# Altium PCB FX_PCB.PcbDoc (part 4 of 7)
Units mil, origin at the board's own origin, x right, y up, seen from the top; angles counter-clockwise.
Board outline 5533 x 3907 mil, 2 copper layers (Top Layer, Bottom Layer); 117 components, 100 nets, 439 pads, 176 vias.
Unrouted connection lines stored in the file: 106.
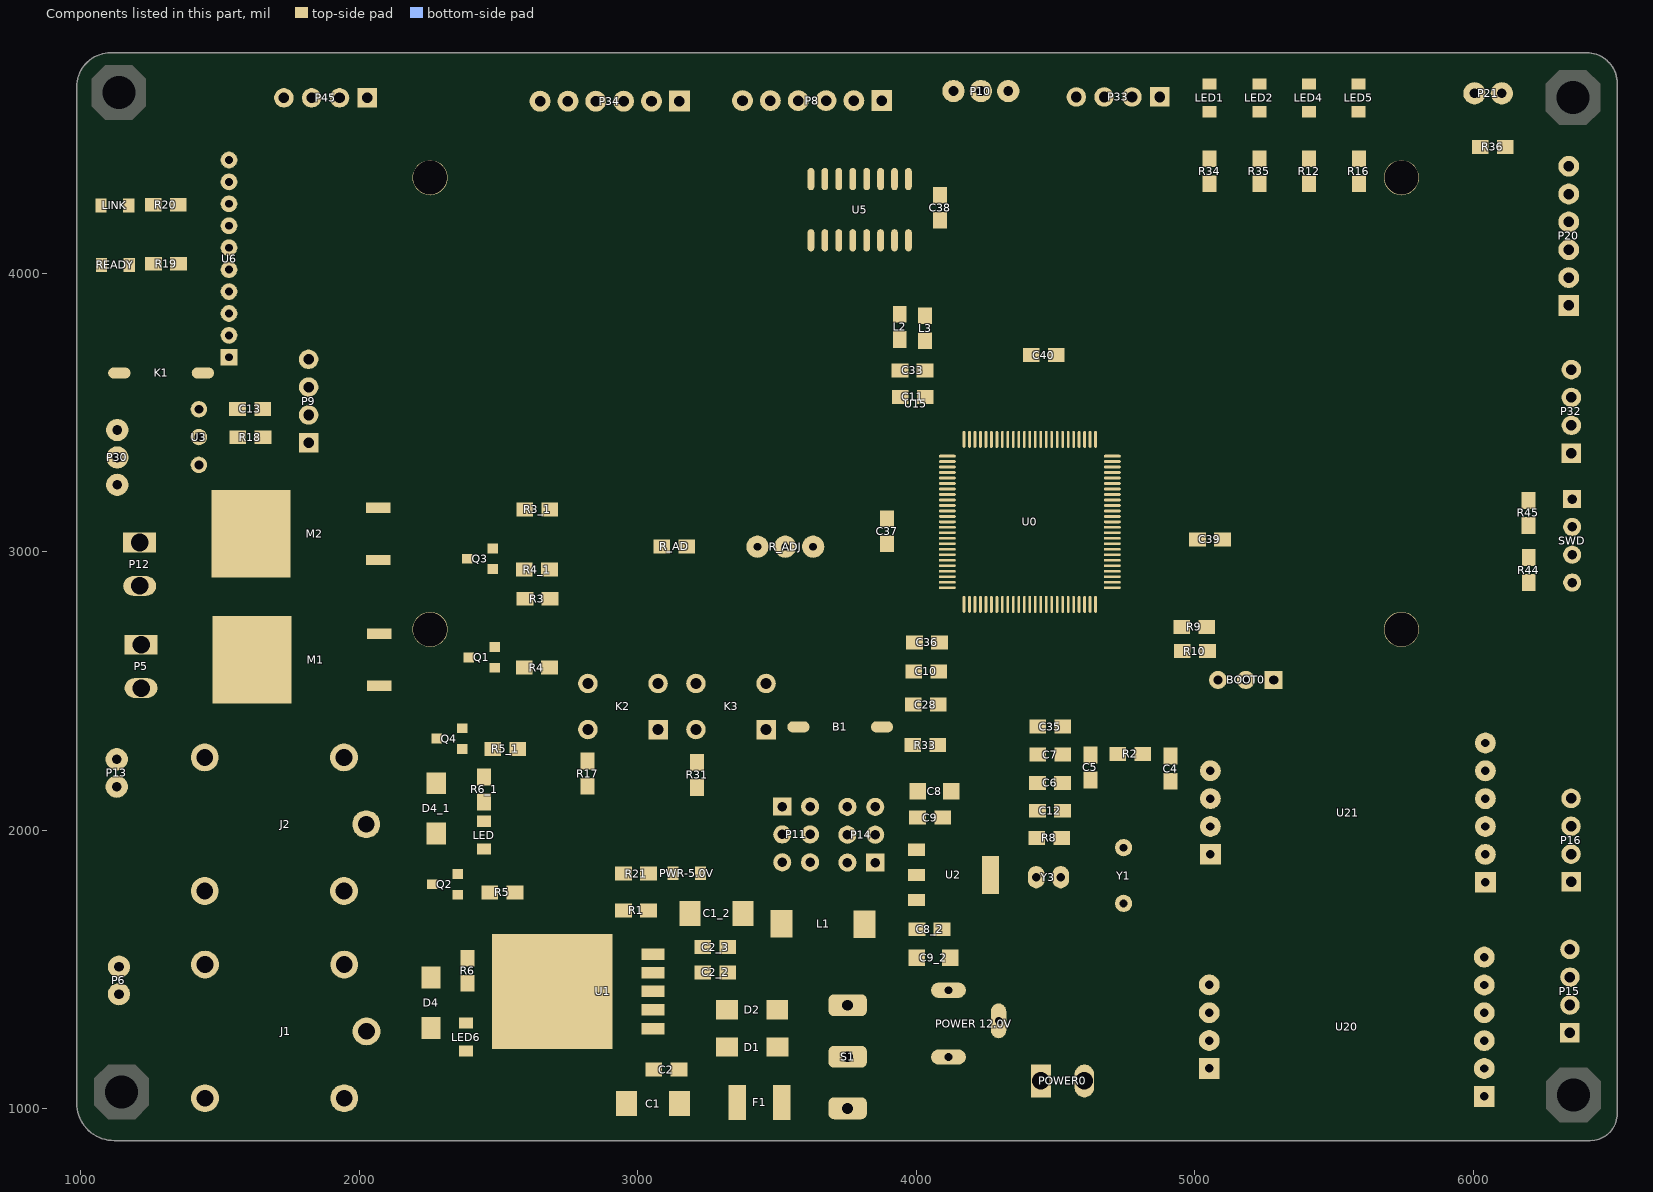
[diagram p4: the components of this part, seen from the top]

## Via types
v1: diameter 30, hole 15, Top Layer to Bottom Layer, 104 vias
v2: diameter 40, hole 18, Top Layer to Bottom Layer, 62 vias
v3: diameter 50, hole 28, Top Layer to Bottom Layer, 7 vias
v4: diameter 50, hole 23, Top Layer to Bottom Layer, 3 vias

## Nets (pads, with @x,y where several pads share a name; then routed paths per layer and width w, separated by ;. In a path a pad name is that pad's centre, name@x,y a point inside that pad or via, vN(x,y) a via of type N, cw(c..) or ccw(c..) an arc to the next point about the centre after c; other vN are vias at no path point) (continued)
copper on no net: (continued)
  Top Layer w0.85: 3046.35,3427.1 3050.6,3427.1 ; 3046.35,3462.8 3050.6,3462.8 ; 3046.35,3832.55 3050.6,3832.55 ; 3046.35,3833.4 3050.6,3833.4 ; 3046.35,3868.25 3050.6,3868.25 ; 3046.35,3869.1 3050.6,3869.1 ; 3047.2,3427.95 3050.6,3427.95 ; 3047.2,3428.8 3051.45,3428.8 ; 3047.2,3463.65 3051.45,3463.65 ; 3047.2,3707.6 3056.55,3707.6 ; 3047.2,3734.8 3051.45,3734.8 ; 3047.2,3830 3052.3,3830 ; 3047.2,3830.85 3051.45,3830.85 ; 3047.2,3831.7 3051.45,3831.7 ; 3047.2,3866.55 3051.45,3866.55 ; 3047.2,3867.4 3051.45,3867.4 ; 3048.05,3429.65 3052.3,3429.65 ; 3048.05,3464.5 3051.45,3464.5 ; 3048.05,3465.35 3052.3,3465.35 ; 3048.05,3657.45 3067.6,3657.45 ; 3048.05,3733.95 3052.3,3733.95 ; 3048.05,3865.7 3052.3,3865.7 ; 3048.9,3430.5 3052.3,3430.5 ; 3048.9,3431.35 3053.15,3431.35 ; 3048.9,3466.2 3052.3,3466.2 ; 3048.9,3467.05 3053.15,3467.05 ; 3048.9,3733.1 3054,3733.1 ; 3048.9,3828.3 3053.15,3828.3 ; 3048.9,3864 3053.15,3864 ; 3048.9,3864.85 3053.15,3864.85 ; 3049.75,3432.2 3054,3432.2 ; 3049.75,3467.9 3054,3467.9 ; 3049.75,3754.35 3063.35,3754.35 ; 3049.75,3827.45 3054,3827.45 ; 3049.75,3863.15 3054,3863.15 ; 3050.6,3433.05 3054,3433.05 ; 3050.6,3433.9 3054.85,3433.9 ; 3050.6,3468.75 3054,3468.75 ; 3050.6,3469.6 3054.85,3469.6 ; 3050.6,3732.25 3054.85,3732.25 ; 3050.6,3825.75 3054.85,3825.75 ; 3050.6,3826.6 3054.85,3826.6 ; 3050.6,3861.45 3054.85,3861.45 ; 3050.6,3862.3 3054,3862.3 ; 3051.45,3434.75 3055.7,3434.75 ; 3051.45,3435.6 3055.7,3435.6 ; 3051.45,3470.45 3054.85,3470.45 ; 3051.45,3731.4 3055.7,3731.4 ; 3051.45,3824.9 3055.7,3824.9 ; 3051.45,3859.75 3055.7,3859.75 ; 3051.45,3860.6 3055.7,3860.6 ; 3052.3,3436.45 3056.55,3436.45 ; 3052.3,3471.3 3055.7,3471.3 ; 3052.3,3472.15 3056.55,3472.15 ; 3052.3,3708.45 3055.7,3708.45 ; 3052.3,3730.55 3059.95,3730.55 ; 3052.3,3823.2 3056.55,3823.2 ; 3052.3,3824.05 3055.7,3824.05 ; 3052.3,3858.9 3056.55,3858.9 ; 3053.15,3437.3 3056.55,3437.3 ; 3053.15,3438.15 3057.4,3438.15 ; 3053.15,3473 3056.55,3473 ; 3053.15,3473.85 3057.4,3473.85 ; 3053.15,3821.5 3057.4,3821.5 ; 3053.15,3822.35 3057.4,3822.35 ; 3053.15,3857.2 3057.4,3857.2 ; 3053.15,3858.05 3056.55,3858.05 ; 3054,3439 3058.25,3439 ; 3054,3474.7 3058.25,3474.7 ; 3054,3729.7 3059.95,3729.7 ; 3054,3820.65 3058.25,3820.65 ; 3054,3856.35 3058.25,3856.35 ; 3054.85,3439.85 3058.25,3439.85 ; 3054.85,3440.7 3059.1,3440.7 ; 3054.85,3475.55 3058.25,3475.55 ; 3054.85,3476.4 3059.1,3476.4 ; 3054.85,3658.3 3073.55,3658.3 ; 3054.85,3728.85 3059.1,3728.85 ; 3054.85,3818.95 3059.1,3818.95 ; 3054.85,3819.8 3058.25,3819.8 ; 3054.85,3854.65 3059.1,3854.65 ; 3054.85,3855.5 3058.25,3855.5 ; 3055.7,3441.55 3059.1,3441.55 ; 3055.7,3442.4 3059.95,3442.4 ; 3055.7,3477.25 3059.1,3477.25 ; 3055.7,3478.1 3059.95,3478.1 ; 3055.7,3728 3059.1,3728 ; 3055.7,3818.1 3059.95,3818.1 ; 3055.7,3852.95 3059.95,3852.95 ; 3055.7,3853.8 3059.95,3853.8 ; 3056.55,3443.25 3060.8,3443.25 ; 3056.55,3478.95 3060.8,3478.95 ; 3056.55,3755.2 3063.35,3755.2 ; 3056.55,3807.05 3058.25,3807.05 ; 3056.55,3816.4 3060.8,3816.4 ; 3056.55,3817.25 3059.95,3817.25 ; 3056.55,3852.1 3060.8,3852.1 ; 3057.4,3444.1 3060.8,3444.1 ; 3057.4,3444.95 3061.65,3444.95 ; 3057.4,3479.8 3060.8,3479.8 ; 3057.4,3480.65 3061.65,3480.65 ; 3057.4,3481.5 3062.5,3481.5 ; 3057.4,3727.15 3059.1,3727.15 ; 3057.4,3731.4 3059.95,3731.4 ; 3057.4,3732.25 3059.95,3732.25 ; 3057.4,3733.1 3059.95,3733.1 ; 3057.4,3733.95 3059.95,3733.95 ; 3057.4,3734.8 3059.95,3734.8 ; 3057.4,3735.65 3060.8,3735.65 ; 3057.4,3814.7 3061.65,3814.7 ; 3057.4,3815.55 3060.8,3815.55 ; 3057.4,3850.4 3061.65,3850.4 ; 3057.4,3851.25 3060.8,3851.25 ; 3058.25,3445.8 3061.65,3445.8 ; 3058.25,3446.65 3062.5,3446.65 ; 3058.25,3726.3 3059.1,3726.3 ; 3058.25,3736.5 3060.8,3736.5 ; 3058.25,3737.35 3060.8,3737.35 ; 3058.25,3738.2 3060.8,3738.2 ; 3058.25,3739.05 3060.8,3739.05 ; 3058.25,3739.9 3060.8,3739.9 ; 3058.25,3740.75 3060.8,3740.75 ; 3058.25,3741.6 3060.8,3741.6 ; 3058.25,3742.45 3061.65,3742.45 ; 3058.25,3813.85 3062.5,3813.85 ; 3058.25,3848.7 3062.5,3848.7 ; 3058.25,3849.55 3062.5,3849.55 ; 3059.1,3447.5 3063.35,3447.5 ; 3059.1,3636.2 3062.5,3636.2 ; 3059.1,3743.3 3061.65,3743.3 ; 3059.1,3744.15 3061.65,3744.15 ; 3059.1,3745 3061.65,3745 ; 3059.1,3745.85 3061.65,3745.85 ; 3059.1,3746.7 3061.65,3746.7 ; 3059.1,3747.55 3061.65,3747.55 ; 3059.1,3748.4 3062.5,3748.4 ; 3059.1,3807.05 3066.75,3807.05 ; 3059.1,3812.15 3063.35,3812.15 ; 3059.1,3813 3062.5,3813 ; 3059.1,3847.85 3063.35,3847.85 ; 3059.95,3448.35 3063.35,3448.35 ; 3059.95,3449.2 3064.2,3449.2 ; 3059.95,3637.05 3063.35,3637.05 ; 3059.95,3749.25 3062.5,3749.25 ; 3059.95,3750.1 3062.5,3750.1 ; 3059.95,3750.95 3062.5,3750.95 ; 3059.95,3751.8 3062.5,3751.8 ; 3059.95,3752.65 3062.5,3752.65 ; 3059.95,3810.45 3064.2,3810.45 ; 3059.95,3811.3 3064.2,3811.3 ; 3059.95,3846.15 3064.2,3846.15 ; 3059.95,3847 3063.35,3847 ; 3060.8,3450.05 3065.05,3450.05 ; 3060.8,3450.9 3065.05,3450.9 ; 3060.8,3637.9 3064.2,3637.9 ; 3060.8,3659.15 3079.5,3659.15 ; 3060.8,3808.75 3065.9,3808.75 ; 3060.8,3809.6 3065.05,3809.6 ; 3060.8,3845.3 3065.05,3845.3 ; 3061.65,3451.75 3065.9,3451.75 ; 3061.65,3486.6 3065.05,3486.6 ; 3061.65,3487.45 3065.9,3487.45 ; 3061.65,3638.75 3065.05,3638.75 ; 3061.65,3639.6 3065.05,3639.6 ; 3061.65,3843.6 3065.9,3843.6 ; 3061.65,3844.45 3065.05,3844.45 ; 3062.5,3452.6 3065.9,3452.6 ; 3062.5,3453.45 3066.75,3453.45 ; 3062.5,3488.3 3066.75,3488.3 ; 3062.5,3489.15 3066.75,3489.15 ; 3062.5,3640.45 3065.9,3640.45 ; 3062.5,3841.9 3066.75,3841.9 ; 3062.5,3842.75 3066.75,3842.75 ; 3063.35,3454.3 3067.6,3454.3 ; 3063.35,3490 3067.6,3490 ; 3063.35,3641.3 3066.75,3641.3 ; 3063.35,3805.35 3067.6,3805.35 ; 3063.35,3841.05 3067.6,3841.05 ; 3064.2,3455.15 3067.6,3455.15 ; 3064.2,3456 3068.45,3456 ; 3064.2,3490.85 3067.6,3490.85 ; 3064.2,3491.7 3068.45,3491.7 ; 3064.2,3642.15 3067.6,3642.15 ; 3064.2,3643 3067.6,3643 ; 3064.2,3803.65 3068.45,3803.65 ; 3064.2,3804.5 3068.45,3804.5 ; 3064.2,3839.35 3068.45,3839.35 ; 3064.2,3840.2 3067.6,3840.2 ; 3065.05,3456.85 3068.45,3456.85 ; 3065.05,3457.7 3069.3,3457.7 ; 3065.05,3492.55 3069.3,3492.55 ; 3065.05,3643.85 3068.45,3643.85 ; 3065.05,3802.8 3069.3,3802.8 ; 3065.05,3838.5 3069.3,3838.5 ; 3065.9,3458.55 3070.15,3458.55 ; 3065.9,3493.4 3069.3,3493.4 ; 3065.9,3494.25 3070.15,3494.25 ; 3065.9,3644.7 3069.3,3644.7 ; 3065.9,3801.1 3070.15,3801.1 ; 3065.9,3801.95 3069.3,3801.95 ; 3065.9,3836.8 3070.15,3836.8 ; 3065.9,3837.65 3069.3,3837.65 ; 3066.75,3459.4 3070.15,3459.4 ; 3066.75,3460.25 3121.15,3460.25 ; 3066.75,3495.1 3070.15,3495.1 ; 3066.75,3495.95 3071,3495.95 ; 3066.75,3645.55 3070.15,3645.55 ; 3066.75,3646.4 3070.15,3646.4 ; 3066.75,3660 3080.35,3660 ; 3066.75,3799.4 3071,3799.4 ; 3066.75,3800.25 3071,3800.25 ; 3066.75,3835.1 3071,3835.1 ; 3066.75,3835.95 3071,3835.95 ; 3067.6,3461.1 3122,3461.1 ; 3067.6,3496.8 3071.85,3496.8 ; 3067.6,3647.25 3071,3647.25 ; 3067.6,3798.55 3071.85,3798.55 ; 3067.6,3834.25 3071.85,3834.25 ; 3068.45,3461.95 3072.7,3461.95 ; 3068.45,3462.8 3072.7,3462.8 ; 3068.45,3497.65 3071.85,3497.65 ; 3068.45,3498.5 3072.7,3498.5 ; 3068.45,3648.1 3071.85,3648.1 ; 3068.45,3796.85 3072.7,3796.85 ; 3068.45,3797.7 3072.7,3797.7 ; 3068.45,3832.55 3072.7,3832.55 ; 3068.45,3833.4 3071.85,3833.4 ; 3069.3,3463.65 3072.7,3463.65 ; 3069.3,3464.5 3073.55,3464.5 ; 3069.3,3499.35 3072.7,3499.35 ; 3069.3,3500.2 3073.55,3500.2 ; 3069.3,3648.95 3072.7,3648.95 ; 3069.3,3649.8 3072.7,3649.8 ; 3069.3,3796 3073.55,3796 ; 3069.3,3830.85 3073.55,3830.85 ; 3069.3,3831.7 3073.55,3831.7 ; 3070.15,3465.35 3074.4,3465.35 ; 3070.15,3501.05 3074.4,3501.05 ; 3070.15,3650.65 3073.55,3650.65 ; 3070.15,3794.3 3074.4,3794.3 ; 3070.15,3795.15 3073.55,3795.15 ; 3070.15,3830 3078.65,3830 ; 3071,3466.2 3074.4,3466.2 ; 3071,3467.05 3075.25,3467.05 ; 3071,3501.9 3074.4,3501.9 ; 3071,3502.75 3075.25,3502.75 ; 3071,3651.5 3074.4,3651.5 ; 3071,3792.6 3075.25,3792.6 ; 3071,3793.45 3075.25,3793.45 ; 3071,3828.3 3076.1,3828.3 ; 3071,3829.15 3077.8,3829.15 ; 3071.85,3467.9 3076.1,3467.9 ; 3071.85,3468.75 3076.1,3468.75 ; 3071.85,3503.6 3076.1,3503.6 ; 3071.85,3504.45 3076.1,3504.45 ; 3071.85,3652.35 3075.25,3652.35 ; 3071.85,3653.2 3075.25,3653.2 ; 3071.85,3790.9 3076.1,3790.9 ; 3071.85,3791.75 3076.1,3791.75 ; 3071.85,3827.45 3076.1,3827.45 ; 3072.7,3469.6 3076.95,3469.6 ; 3072.7,3505.3 3076.95,3505.3 ; 3072.7,3506.15 3076.95,3506.15 ; 3072.7,3654.05 3076.1,3654.05 ; 3072.7,3660.85 3081.2,3660.85 ; 3072.7,3790.05 3076.95,3790.05 ; 3072.7,3825.75 3076.95,3825.75 ; 3072.7,3826.6 3076.1,3826.6 ; 3073.55,3470.45 3076.95,3470.45 ; 3073.55,3471.3 3077.8,3471.3 ; 3073.55,3654.9 3076.95,3654.9 ; 3073.55,3655.75 3076.95,3655.75 ; 3073.55,3788.35 3077.8,3788.35 ; 3073.55,3789.2 3077.8,3789.2 ; 3073.55,3824.05 3077.8,3824.05 ; 3073.55,3824.9 3077.8,3824.9 ; 3074.4,3472.15 3078.65,3472.15 ; 3074.4,3509.55 3079.5,3509.55 ; 3074.4,3656.6 3077.8,3656.6 ; 3074.4,3787.5 3078.65,3787.5 ; 3074.4,3823.2 3078.65,3823.2 ; 3075.25,3461.95 3122,3461.95 ; 3075.25,3473 3078.65,3473 ; 3075.25,3473.85 3079.5,3473.85 ; 3075.25,3510.4 3080.35,3510.4 ; 3075.25,3511.25 3080.35,3511.25 ; 3075.25,3657.45 3078.65,3657.45 ; 3075.25,3658.3 3079.5,3658.3 ; 3075.25,3785.8 3079.5,3785.8 ; 3075.25,3786.65 3078.65,3786.65 ; 3075.25,3821.5 3079.5,3821.5 ; 3075.25,3822.35 3078.65,3822.35 ; 3076.1,3474.7 3079.5,3474.7 ; 3076.1,3475.55 3080.35,3475.55 ; 3076.1,3512.1 3081.2,3512.1 ; 3076.1,3512.95 3081.2,3512.95 ; 3076.1,3784.95 3080.35,3784.95 ; 3076.1,3819.8 3080.35,3819.8 ; 3076.1,3820.65 3080.35,3820.65 ; 3076.95,3476.4 3081.2,3476.4 ; 3076.95,3513.8 3082.05,3513.8 ; 3076.95,3783.25 3081.2,3783.25 ; 3076.95,3784.1 3080.35,3784.1 ; 3076.95,3818.95 3081.2,3818.95 ; 3076.95,3828.3 3080.35,3828.3 ; 3077.8,3477.25 3081.2,3477.25 ; 3077.8,3478.1 3082.05,3478.1 ; 3077.8,3514.65 3082.9,3514.65 ; 3077.8,3515.5 3082.9,3515.5 ; 3077.8,3781.55 3082.05,3781.55 ; 3077.8,3782.4 3081.2,3782.4 ; 3077.8,3817.25 3082.05,3817.25 ; 3077.8,3818.1 3082.05,3818.1 ; 3078.65,3478.95 3082.9,3478.95 ; 3078.65,3479.8 3082.9,3479.8 ; 3078.65,3516.35 3083.75,3516.35 ; 3078.65,3779.85 3082.9,3779.85 ; 3078.65,3780.7 3082.9,3780.7 ; 3078.65,3816.4 3082.9,3816.4 ; 3078.65,3829.15 3080.35,3829.15 ; 3079.5,3480.65 3083.75,3480.65 ; 3079.5,3517.2 3083.75,3517.2 ; 3079.5,3518.05 3084.6,3518.05 ; 3079.5,3661.7 3082.05,3661.7 ; 3079.5,3779 3083.75,3779 ; 3079.5,3814.7 3083.75,3814.7 ; 3079.5,3815.55 3082.9,3815.55 ; 3079.5,3830 3118.6,3830 ; 3080.35,3481.5 3084.6,3481.5 ; 3080.35,3482.35 3109.25,3482.35 ; 3080.35,3518.9 3085.45,3518.9 ; 3080.35,3519.75 3085.45,3519.75 ; 3080.35,3529.1 3084.6,3529.1 ; 3080.35,3777.3 3084.6,3777.3 ; 3080.35,3778.15 3084.6,3778.15 ; 3080.35,3813 3084.6,3813 ; 3080.35,3813.85 3084.6,3813.85 ; 3081.2,3483.2 3110.1,3483.2 ; 3081.2,3520.6 3086.3,3520.6 ; 3081.2,3529.95 3083.75,3529.95 ; 3081.2,3776.45 3085.45,3776.45 ; 3081.2,3811.3 3085.45,3811.3 ; 3081.2,3812.15 3085.45,3812.15 ; 3081.2,3828.3 3123.7,3828.3 ; 3081.2,3829.15 3123.7,3829.15 ; 3082.05,3484.05 3110.1,3484.05 ; 3082.05,3484.9 3086.3,3484.9 ; 3082.05,3521.45 3086.3,3521.45 ; 3082.05,3522.3 3087.15,3522.3 ; 3082.05,3774.75 3086.3,3774.75 ; 3082.05,3775.6 3086.3,3775.6 ; 3082.05,3810.45 3086.3,3810.45 ; 3082.9,3485.75 3086.3,3485.75 ; 3082.9,3486.6 3087.15,3486.6 ; 3082.9,3523.15 3088,3523.15 ; 3082.9,3524 3088,3524 ; 3082.9,3773.05 3087.15,3773.05 ; 3082.9,3773.9 3087.15,3773.9 ; 3082.9,3808.75 3111.8,3808.75 ; 3082.9,3809.6 3110.95,3809.6 ; 3083.75,3487.45 3088,3487.45 ; 3083.75,3772.2 3088,3772.2 ; 3083.75,3807.9 3112.65,3807.9 ; 3084.6,3488.3 3088,3488.3 ; 3084.6,3489.15 3088.85,3489.15 ; 3084.6,3770.5 3088.85,3770.5 ; 3084.6,3771.35 3088,3771.35 ; 3084.6,3806.2 3113.5,3806.2 ; 3084.6,3807.05 3112.65,3807.05 ; 3085.45,3490 3089.7,3490 ; 3085.45,3490.85 3089.7,3490.85 ; 3085.45,3768.8 3089.7,3768.8 ; 3085.45,3769.65 3089.7,3769.65 ; 3085.45,3804.5 3089.7,3804.5 ; 3085.45,3805.35 3089.7,3805.35 ; 3086.3,3491.7 3090.55,3491.7 ; 3086.3,3529.1 3091.4,3529.1 ; 3086.3,3767.95 3090.55,3767.95 ; 3086.3,3803.65 3090.55,3803.65 ; 3087.15,3492.55 3090.55,3492.55 ; 3087.15,3493.4 3091.4,3493.4 ; 3087.15,3529.95 3092.25,3529.95 ; 3087.15,3530.8 3092.25,3530.8 ; 3087.15,3766.25 3091.4,3766.25 ; 3087.15,3767.1 3091.4,3767.1 ; 3087.15,3801.95 3091.4,3801.95 ; 3087.15,3802.8 3090.55,3802.8 ; 3088,3494.25 3092.25,3494.25 ; 3088,3531.65 3093.1,3531.65 ; 3088,3532.5 3093.1,3532.5 ; 3088,3765.4 3092.25,3765.4 ; 3088,3800.25 3092.25,3800.25 ; 3088,3801.1 3092.25,3801.1 ; 3088.85,3495.1 3092.25,3495.1 ; 3088.85,3495.95 3093.1,3495.95 ; 3088.85,3533.35 3093.95,3533.35 ; 3088.85,3763.7 3093.1,3763.7 ; 3088.85,3764.55 3092.25,3764.55 ; 3088.85,3799.4 3093.1,3799.4 ; 3089.7,3496.8 3093.1,3496.8 ; 3089.7,3497.65 3093.95,3497.65 ; 3089.7,3534.2 3094.8,3534.2 ; 3089.7,3535.05 3094.8,3535.05 ; 3089.7,3762.85 3093.95,3762.85 ; 3089.7,3797.7 3093.95,3797.7 ; 3089.7,3798.55 3093.95,3798.55 ; 3090.55,3498.5 3094.8,3498.5 ; 3090.55,3535.9 3095.65,3535.9 ; 3090.55,3761.15 3094.8,3761.15 ; 3090.55,3762 3093.95,3762 ; 3090.55,3796.85 3094.8,3796.85 ; 3091.4,3499.35 3094.8,3499.35 ; 3091.4,3500.2 3095.65,3500.2 ; 3091.4,3536.75 3095.65,3536.75 ; 3091.4,3537.6 3096.5,3537.6 ; 3091.4,3759.45 3095.65,3759.45 ; 3091.4,3760.3 3095.65,3760.3 ; 3091.4,3795.15 3095.65,3795.15 ; 3091.4,3796 3094.8,3796 ; 3092.25,3501.05 3095.65,3501.05 ; 3092.25,3538.45 3097.35,3538.45 ; 3092.25,3539.3 3097.35,3539.3 ; 3092.25,3757.75 3096.5,3757.75 ; 3092.25,3758.6 3096.5,3758.6 ; 3092.25,3793.45 3097.35,3793.45 ; 3092.25,3794.3 3096.5,3794.3 ; 3093.1,3501.9 3096.5,3501.9 ; 3093.1,3502.75 3097.35,3502.75 ; 3093.1,3540.15 3098.2,3540.15 ; 3093.1,3756.9 3097.35,3756.9 ; 3093.1,3792.6 3097.35,3792.6 ; 3093.95,3503.6 3097.35,3503.6 ; 3093.95,3504.45 3098.2,3504.45 ; 3093.95,3541 3098.2,3541 ; 3093.95,3541.85 3099.05,3541.85 ; 3093.95,3755.2 3098.2,3755.2 ; 3093.95,3756.05 3098.2,3756.05 ; 3093.95,3790.9 3098.2,3790.9 ; 3093.95,3791.75 3098.2,3791.75 ; 3094.8,3505.3 3099.05,3505.3 ; 3094.8,3506.15 3099.05,3506.15 ; 3094.8,3507 3099.9,3507 ; 3094.8,3542.7 3099.9,3542.7 ; 3094.8,3543.55 3099.9,3543.55 ; 3094.8,3754.35 3099.05,3754.35 ; 3094.8,3789.2 3099.05,3789.2 ; 3094.8,3790.05 3099.05,3790.05 ; 3095.65,3507.85 3100.75,3507.85 ; 3095.65,3508.7 3100.75,3508.7 ; 3095.65,3544.4 3100.75,3544.4 ; 3095.65,3752.65 3099.9,3752.65 ; 3095.65,3753.5 3099.05,3753.5 ; 3095.65,3788.35 3099.9,3788.35 ; 3096.5,3509.55 3101.6,3509.55 ; 3096.5,3545.25 3100.75,3545.25 ; 3096.5,3546.1 3101.6,3546.1 ; 3096.5,3750.95 3100.75,3750.95 ; 3096.5,3751.8 3100.75,3751.8 ; 3096.5,3786.65 3100.75,3786.65 ; 3096.5,3787.5 3100.75,3787.5 ; 3097.35,3510.4 3101.6,3510.4 ; 3097.35,3511.25 3102.45,3511.25 ; 3097.35,3546.95 3102.45,3546.95 ; 3097.35,3547.8 3102.45,3547.8 ; 3097.35,3750.1 3101.6,3750.1 ; 3097.35,3784.95 3101.6,3784.95 ; 3097.35,3785.8 3101.6,3785.8 ; 3098.2,3512.1 3103.3,3512.1 ; 3098.2,3512.95 3103.3,3512.95 ; 3098.2,3548.65 3103.3,3548.65 ; 3098.2,3748.4 3102.45,3748.4 ; 3098.2,3749.25 3101.6,3749.25 ; 3098.2,3784.1 3102.45,3784.1 ; 3099.05,3513.8 3104.15,3513.8 ; 3099.05,3549.5 3104.15,3549.5 ; 3099.05,3550.35 3104.15,3550.35 ; 3099.05,3746.7 3103.3,3746.7 ; 3099.05,3747.55 3103.3,3747.55 ; 3099.05,3782.4 3103.3,3782.4 ; 3099.05,3783.25 3103.3,3783.25 ; 3099.9,3514.65 3104.15,3514.65 ; 3099.9,3515.5 3105,3515.5 ; 3099.9,3551.2 3105,3551.2 ; 3099.9,3552.05 3105,3552.05 ; 3099.9,3745.85 3104.15,3745.85 ; 3099.9,3781.55 3104.15,3781.55 ; 3100.75,3516.35 3105.85,3516.35 ; 3100.75,3517.2 3105.85,3517.2 ; 3100.75,3552.9 3105.85,3552.9 ; 3100.75,3744.15 3105,3744.15 ; 3100.75,3745 3105,3745 ; 3100.75,3779.85 3105,3779.85 ; 3100.75,3780.7 3105,3780.7 ; 3101.6,3518.05 3106.7,3518.05 ; 3101.6,3553.75 3106.7,3553.75 ; 3101.6,3554.6 3106.7,3554.6 ; 3101.6,3743.3 3105.85,3743.3 ; 3101.6,3778.15 3106.7,3778.15 ; 3101.6,3779 3105.85,3779 ; 3102.45,3518.9 3106.7,3518.9 ; 3102.45,3519.75 3107.55,3519.75 ; 3102.45,3555.45 3107.55,3555.45 ; 3102.45,3741.6 3106.7,3741.6 ; 3102.45,3742.45 3105.85,3742.45 ; 3102.45,3777.3 3106.7,3777.3 ; 3103.3,3520.6 3108.4,3520.6 ; 3103.3,3521.45 3108.4,3521.45 ; 3103.3,3556.3 3107.55,3556.3 ; 3103.3,3557.15 3108.4,3557.15 ; 3103.3,3739.9 3107.55,3739.9 ; 3103.3,3740.75 3107.55,3740.75 ; 3103.3,3775.6 3107.55,3775.6 ; 3103.3,3776.45 3107.55,3776.45 ; 3104.15,3522.3 3109.25,3522.3 ; 3104.15,3558 3109.25,3558 ; 3104.15,3558.85 3109.25,3558.85 ; 3104.15,3739.05 3108.4,3739.05 ; 3104.15,3774.75 3108.4,3774.75 ; 3105,3523.15 3109.25,3523.15 ; 3105,3524 3110.1,3524 ; 3105,3559.7 3110.1,3559.7 ; 3105,3737.35 3109.25,3737.35 ; 3105,3738.2 3108.4,3738.2 ; 3105,3773.05 3109.25,3773.05 ; 3105,3773.9 3108.4,3773.9 ; 3105.85,3481.5 3108.4,3481.5 ; 3105.85,3484.9 3110.95,3484.9 ; 3105.85,3485.75 3110.95,3485.75 ; 3105.85,3524.85 3110.95,3524.85 ; 3105.85,3525.7 3110.95,3525.7 ; 3105.85,3560.55 3110.1,3560.55 ; 3105.85,3561.4 3110.95,3561.4 ; 3105.85,3736.5 3110.1,3736.5 ; 3105.85,3771.35 3110.1,3771.35 ; 3105.85,3772.2 3109.25,3772.2 ; 3106.7,3486.6 3111.8,3486.6 ; 3106.7,3526.55 3111.8,3526.55 ; 3106.7,3562.25 3111.8,3562.25 ; 3106.7,3563.1 3111.8,3563.1 ; 3106.7,3734.8 3110.95,3734.8 ; 3106.7,3735.65 3110.1,3735.65 ; 3106.7,3770.5 3110.95,3770.5 ; 3107.55,3487.45 3111.8,3487.45 ; 3107.55,3488.3 3112.65,3488.3 ; 3107.55,3527.4 3111.8,3527.4 ; 3107.55,3528.25 3112.65,3528.25 ; 3107.55,3563.95 3112.65,3563.95 ; 3107.55,3733.1 3111.8,3733.1 ; 3107.55,3733.95 3111.8,3733.95 ; 3107.55,3768.8 3111.8,3768.8 ; 3107.55,3769.65 3110.95,3769.65 ; 3107.55,3805.35 3114.35,3805.35 ; 3108.4,3489.15 3113.5,3489.15 ; 3108.4,3490 3113.5,3490 ; 3108.4,3529.1 3113.5,3529.1 ; 3108.4,3529.95 3113.5,3529.95 ; 3108.4,3564.8 3112.65,3564.8 ; 3108.4,3565.65 3113.5,3565.65 ; 3108.4,3732.25 3112.65,3732.25 ; 3108.4,3767.95 3112.65,3767.95 ; 3108.4,3804.5 3114.35,3804.5 ; 3109.25,3490.85 3114.35,3490.85 ; 3109.25,3491.7 3114.35,3491.7 ; 3109.25,3530.8 3114.35,3530.8 ; 3109.25,3566.5 3114.35,3566.5 ; 3109.25,3567.35 3114.35,3567.35 ; 3109.25,3730.55 3113.5,3730.55 ; 3109.25,3731.4 3112.65,3731.4 ; 3109.25,3766.25 3113.5,3766.25 ; 3109.25,3767.1 3112.65,3767.1 ; 3109.25,3802.8 3115.2,3802.8 ; 3109.25,3803.65 3115.2,3803.65 ; 3110.1,3492.55 3115.2,3492.55 ; 3110.1,3531.65 3114.35,3531.65 ; 3110.1,3532.5 3115.2,3532.5 ; 3110.1,3568.2 3115.2,3568.2 ; 3110.1,3729.7 3114.35,3729.7 ; 3110.1,3764.55 3114.35,3764.55 ; 3110.1,3765.4 3114.35,3765.4 ; 3110.1,3801.1 3110.95,3801.1 ; 3110.1,3801.95 3116.05,3801.95 ; 3110.95,3493.4 3115.2,3493.4 ; 3110.95,3494.25 3116.05,3494.25 ; 3110.95,3533.35 3116.05,3533.35 ; 3110.95,3534.2 3116.05,3534.2 ; 3110.95,3569.05 3116.05,3569.05 ; 3110.95,3569.9 3116.05,3569.9 ; 3110.95,3728 3115.2,3728 ; 3110.95,3728.85 3114.35,3728.85 ; 3110.95,3763.7 3115.2,3763.7 ; 3110.95,3800.25 3116.9,3800.25 ; 3111.8,3495.1 3116.9,3495.1 ; 3111.8,3495.95 3116.9,3495.95 ; 3111.8,3535.05 3116.9,3535.05 ; 3111.8,3570.75 3116.9,3570.75 ; 3111.8,3571.6 3116.9,3571.6 ; 3111.8,3726.3 3116.05,3726.3 ; 3111.8,3727.15 3115.2,3727.15 ; 3111.8,3762 3116.05,3762 ; 3111.8,3762.85 3115.2,3762.85 ; 3111.8,3798.55 3117.75,3798.55 ; 3111.8,3799.4 3117.75,3799.4 ; 3111.8,3801.1 3116.05,3801.1 ; 3112.65,3496.8 3117.75,3496.8 ; 3112.65,3497.65 3117.75,3497.65 ; 3112.65,3535.9 3116.9,3535.9 ; 3112.65,3536.75 3117.75,3536.75 ; 3112.65,3572.45 3117.75,3572.45 ; 3112.65,3725.45 3116.9,3725.45 ; 3112.65,3760.3 3116.9,3760.3 ; 3112.65,3761.15 3116.9,3761.15 ; 3112.65,3796.85 3118.6,3796.85 ; 3112.65,3797.7 3118.6,3797.7 ; 3113.5,3498.5 3118.6,3498.5 ; 3113.5,3537.6 3118.6,3537.6 ; 3113.5,3538.45 3118.6,3538.45 ; 3113.5,3573.3 3118.6,3573.3 ; 3113.5,3574.15 3118.6,3574.15 ; 3113.5,3723.75 3117.75,3723.75 ; 3113.5,3724.6 3116.9,3724.6 ; 3113.5,3759.45 3117.75,3759.45 ; 3113.5,3795.15 3119.45,3795.15 ; 3113.5,3796 3119.45,3796 ; 3114.35,3499.35 3119.45,3499.35 ; 3114.35,3500.2 3119.45,3500.2 ; 3114.35,3539.3 3119.45,3539.3 ; 3114.35,3575 3119.45,3575 ; 3114.35,3722.05 3118.6,3722.05 ; 3114.35,3722.9 3118.6,3722.9 ; 3114.35,3757.75 3118.6,3757.75 ; 3114.35,3758.6 3117.75,3758.6 ; 3114.35,3793.45 3121.15,3793.45 ; 3114.35,3794.3 